# Altium PCB OneBox.PcbDoc (part 9 of 13)
Units mm, origin at the board's own origin, x right, y up, seen from the top; angles counter-clockwise.
Board outline 101 x 69 mm, 6 copper layers (L1_Sig, L2_Gnd, L3_Pow, L4_Sig, L5_Gnd, L6_Sig), stack 1.538 mm thick; 766 components, 563 nets, 3133 pads, 2914 vias.
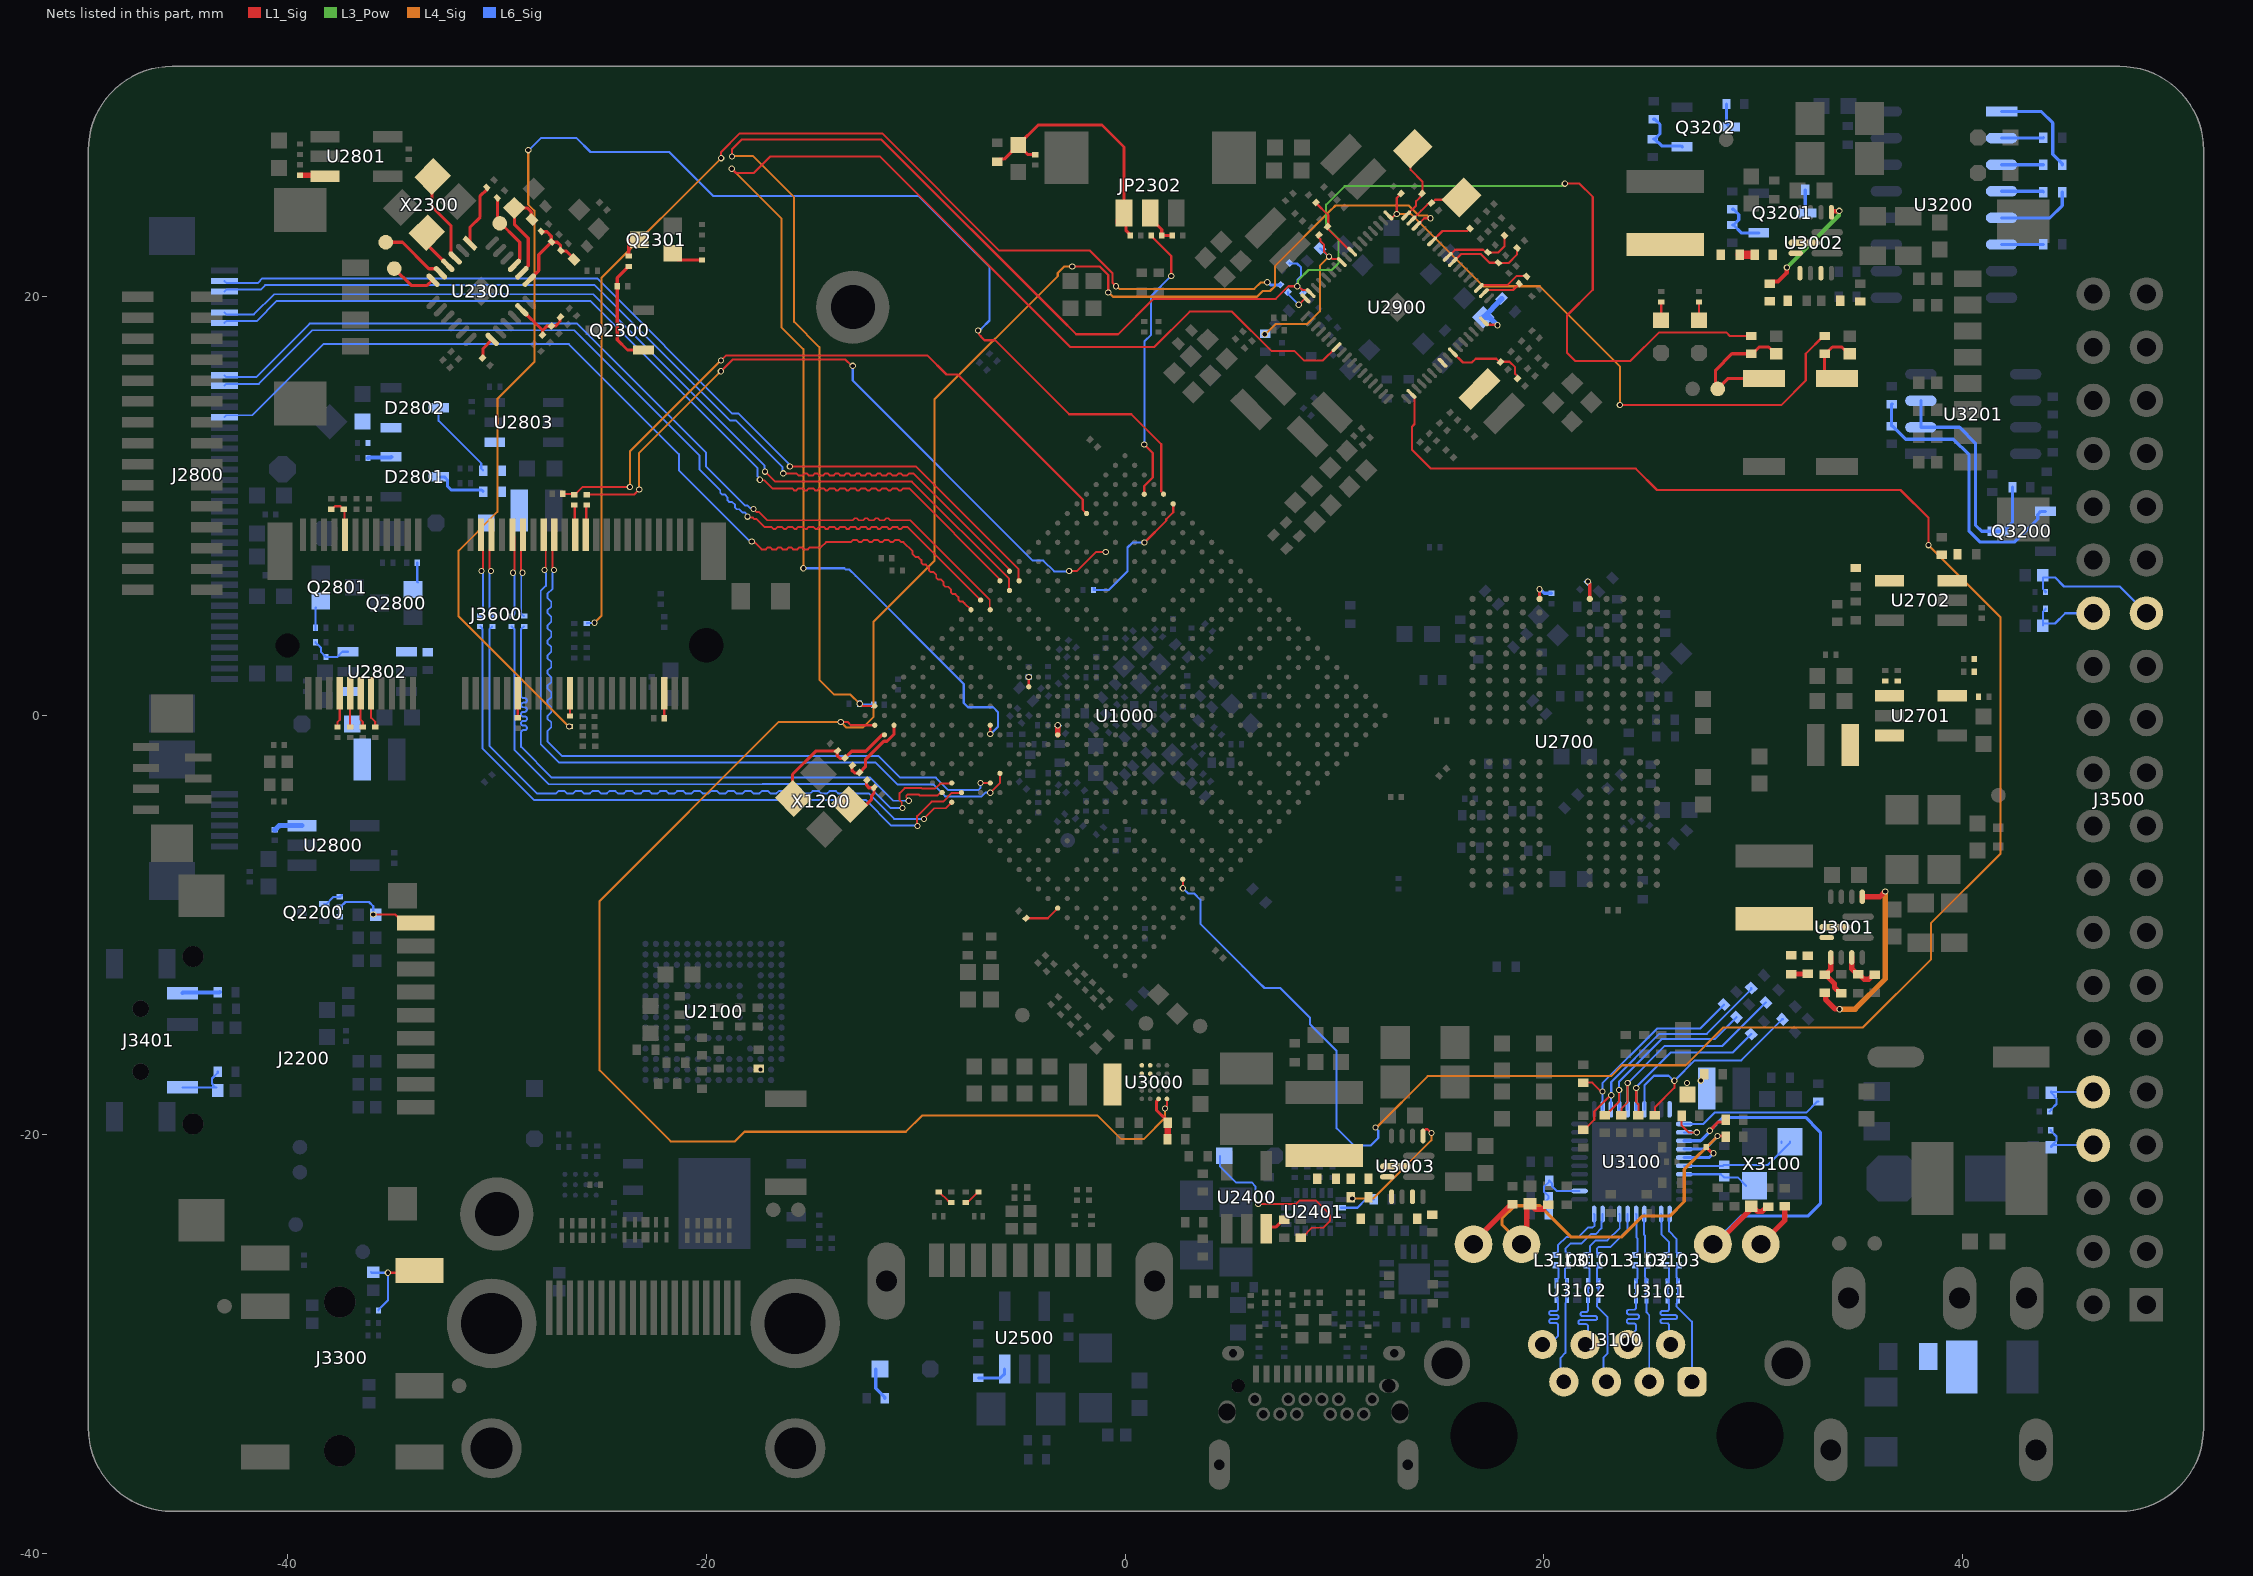
[diagram p13: the nets of this part, all layers, seen from the top]

## Via types
v1: diameter 0.3, hole 0.2, L1_Sig to L6_Sig, tented both sides, 2711 vias
v2: diameter 0.5, hole 0.3, L1_Sig to L6_Sig, tented both sides, 199 vias
v3: diameter 0.305, hole 0.203, L1_Sig to L6_Sig, tented both sides, 4 vias

## Nets (pads, with @x,y where several pads share a name; then routed paths per layer and width w, separated by ;. In a path a pad name is that pad's centre, name@x,y a point inside that pad or via, vN(x,y) a via of type N, cw(c..) or ccw(c..) an arc to the next point about the centre after c; other vN are vias at no path point) (continued)
MIPI_DSI_TX0_D0_P: J2800.26 U1000.AH17 | length 44.3
  L1_Sig w0.091: v1(-17.821,8.311) -17.78,8.27 -17.684,8.27 -17.353,7.94 -17.147,7.94 -17.053,8.034 -16.947,8.034 -16.853,7.94 -16.647,7.94 -16.553,8.034 -16.447,8.034 -16.353,7.94 -16.147,7.94 -16.053,8.034 -15.947,8.034 -15.853,7.94 -15.647,7.94 -15.553,8.034 -15.447,8.034 -15.353,7.94 -15.147,7.94 -15.053,8.034 -14.529,8.034 -14.276,8.287 -13.087,8.287 -12.993,8.381 -12.787,8.381 -12.693,8.287 -12.587,8.287 -12.493,8.381 -12.287,8.381 -12.193,8.287 -12.087,8.287 -11.993,8.381 -11.787,8.381 -11.693,8.287 -11.587,8.287 -11.493,8.381 -11.287,8.381 -11.193,8.287 -11.087,8.287 -10.993,8.381 -10.787,8.381 -10.693,8.287 -10.587,8.287 -10.146,7.846 -10.146,7.713 -10.001,7.568 -9.868,7.568 -9.722,7.422 -9.722,7.289 -9.647,7.214 -9.514,7.214 -9.369,7.069 -9.369,6.935 -9.294,6.861 -9.161,6.861 -9.015,6.715 -9.015,6.582 -8.94,6.507 -8.807,6.507 -8.662,6.362 -8.662,6.228 -8.587,6.153 -8.453,6.153 -8.308,6.008 -8.308,5.875 -8.233,5.8 -8.1,5.8 -7.954,5.654 -7.954,5.521 -7.88,5.446 -7.746,5.446 -7.672,5.372 -7.67,5.372 U1000.AH17@-7.354,5.056
  L6_Sig w0.091: J2800.26@-43.003,14.25 -42.913,14.34 -41.684,14.34 -38.284,17.74 -26.559,17.74 -21.3,12.481 -21.3,11.707 -17.967,8.374 -17.941,8.374 -17.877,8.311 v1(-17.821,8.311)
MIPI_DSI_TX0_D1_N: J2800.30 U1000.AG16 | length 44.3
  L1_Sig w0.091: v1(-17.745,9.869) -17.74,9.869 -17.587,9.717 -17.473,9.717 -17.086,9.329 -13,9.329 -12.906,9.424 -12.8,9.424 -12.706,9.329 -12.5,9.329 -12.406,9.424 -12.3,9.424 -12.206,9.329 -12,9.329 -11.906,9.424 -11.8,9.424 -11.706,9.329 -11.5,9.329 -11.406,9.424 -11.3,9.424 -11.206,9.329 -10.256,9.329 -6.459,5.533 -6.459,5.081 U1000.AG16@-6.435,5.056
  L6_Sig w0.091: J2800.30@-43.003,16.25 -42.913,16.16 -41.493,16.16 -38.933,18.72 -26.167,18.72 -20,12.553 -20,11.888 -18.137,10.026 -18.022,10.026 -17.906,9.909 -17.785,9.909 v1(-17.745,9.869)
MIPI_DSI_TX0_D1_P: J2800.29 U1000.AH16 | length 44.2
  L1_Sig w0.091: v1(-18.029,9.501) -17.989,9.461 -17.784,9.461 -17.72,9.397 -17.606,9.397 -17.218,9.009 -16.888,9.009 -16.794,8.915 -16.688,8.915 -16.594,9.009 -16.388,9.009 -16.294,8.915 -16.188,8.915 -16.094,9.009 -15.888,9.009 -15.794,8.915 -15.688,8.915 -15.594,9.009 -15.388,9.009 -15.294,8.915 -15.188,8.915 -15.094,9.009 -14.888,9.009 -14.794,8.915 -14.688,8.915 -14.594,9.009 -14.388,9.009 -14.294,8.915 -14.188,8.915 -14.094,9.009 -13.888,9.009 -13.794,8.915 -13.688,8.915 -13.594,9.009 -13.388,9.009 -13.294,8.915 -13.188,8.915 -13.094,9.009 -12.888,9.009 -12.794,8.915 -12.688,8.915 -12.594,9.009 -12.388,9.009 -12.294,8.915 -12.188,8.915 -12.094,9.009 -11.888,9.009 -11.794,8.915 -11.688,8.915 -11.594,9.009 -11.388,9.009 -11.294,8.915 -11.188,8.915 -11.094,9.009 -10.888,9.009 -10.794,8.915 -10.688,8.915 -10.594,9.009 -10.388,9.009 U1000.AH16@-6.894,5.515
  L6_Sig w0.091: J2800.29@-43.003,15.75 -42.913,15.84 -41.36,15.84 -38.8,18.4 -26.3,18.4 -20.32,12.42 -20.32,11.756 -19.331,10.766 -19.331,10.633 -19.256,10.558 -19.123,10.558 -18.977,10.413 -18.977,10.28 -18.902,10.205 -18.769,10.205 -18.624,10.059 -18.624,9.926 -18.549,9.851 -18.416,9.851 -18.27,9.706 -18.155,9.706 -18.101,9.652 -18.101,9.629 -18.029,9.557 v1(-18.029,9.501)
MIPI_DSI_TX0_D2_N: J2800.36 U1000.AG14 | length 44.3
  L1_Sig w0.091: v1(-17.192,11.649) -16.712,11.169 -10.176,11.169 -5.54,6.534 -5.54,6 U1000.AG14@-5.515,5.975
  L6_Sig w0.091: J2800.36@-43.003,19.25 -42.914,19.161 -41.591,19.161 -40.633,20.12 -25.395,20.12 -17.224,11.949 -17.224,11.681 v1(-17.192,11.649)
MIPI_DSI_TX0_D2_P: J2800.35 U1000.AH14 | length 44.2
  L1_Sig w0.091: v1(-17.437,11.263) -17.413,11.239 -17.234,11.239 -16.845,10.849 -15.894,10.849 -15.8,10.755 -15.694,10.755 -15.6,10.849 -15.394,10.849 -15.3,10.755 -15.194,10.755 -15.1,10.849 -14.894,10.849 -14.8,10.755 -14.694,10.755 -14.6,10.849 -14.394,10.849 -14.3,10.755 -14.194,10.755 -14.1,10.849 -13.894,10.849 -13.8,10.755 -13.694,10.755 -13.6,10.849 -13.394,10.849 -13.3,10.755 -13.194,10.755 -13.1,10.849 -12.894,10.849 -12.8,10.755 -12.694,10.755 -12.6,10.849 -12.394,10.849 -12.3,10.755 -12.194,10.755 -12.1,10.849 -11.894,10.849 -11.8,10.755 -11.694,10.755 -11.6,10.849 -11.394,10.849 -11.3,10.755 -11.194,10.755 -11.1,10.849 -10.894,10.849 -10.8,10.755 -10.694,10.755 -10.6,10.849 -10.308,10.849 -6.005,6.547 -6.005,6.465 U1000.AH14@-5.975,6.435
  L6_Sig w0.091: J2800.35@-43.003,18.75 -42.912,18.841 -41.459,18.841 -40.5,19.8 -25.527,19.8 -17.544,11.816 -17.544,11.423 -17.437,11.317 v1(-17.437,11.263)
MIPI_DSI_TX0_D3_N: J2800.39 U1000.AG13 | length 44.4
  L1_Sig w0.091: v1(-16.004,11.895) -15.995,11.885 -9.972,11.885 -5.081,6.994 -5.081,6.459 U1000.AG13@-5.056,6.435
  L6_Sig w0.091: J2800.39@-43.003,20.75 -42.917,20.664 -41.399,20.664 -41.19,20.873 -25.197,20.873 -18.744,14.42 -18.453,14.42 -16.042,12.009 -16.042,11.933 v1(-16.004,11.895)
MIPI_DSI_TX0_D3_P: J2800.38 U1000.AH13 | length 44.3
  L1_Sig w0.091: v1(-16.321,11.565) -15.7,11.565 -15.606,11.471 -15.4,11.471 -15.306,11.565 -15.2,11.565 -15.106,11.471 -14.9,11.471 -14.806,11.565 -14.7,11.565 -14.606,11.471 -14.4,11.471 -14.306,11.565 -14.2,11.565 -14.106,11.471 -13.9,11.471 -13.806,11.565 -13.7,11.565 -13.606,11.471 -13.4,11.471 -13.306,11.565 -13.2,11.565 -13.106,11.471 -12.9,11.471 -12.806,11.565 -12.7,11.565 -12.606,11.471 -12.4,11.471 -12.306,11.565 -12.2,11.565 -12.106,11.471 -11.9,11.471 -11.806,11.565 -11.7,11.565 -11.606,11.471 -11.4,11.471 -11.306,11.565 -11.2,11.565 -11.106,11.471 -10.9,11.471 -10.806,11.565 -10.7,11.565 -10.606,11.471 -10.4,11.471 -10.306,11.565 -10.105,11.565 -5.546,7.006 -5.546,6.925 U1000.AH13@-5.515,6.894
  L6_Sig w0.091: J2800.38@-43.003,20.25 -42.909,20.344 -41.267,20.344 -41.058,20.553 -25.329,20.553 -18.876,14.1 -18.585,14.1 -16.362,11.877 -16.362,11.723 -16.361,11.722 -16.361,11.605 v1(-16.321,11.565)
NetC1201_2: C1201.2 R1200.2 X1200.1 | length 3.3
  L1_Sig w0.152: R1200.2@-12.323,-3.077 -12.341,-3.094 -12.341,-3.334 -12.234,-3.441 C1201.2@-11.994,-3.441 ; C1201.2@-11.977,-3.423 C1201.2@-11.994,-3.441 ; X1200.1@-12.38,-4.277 -12.104,-4 -12.104,-3.829 -11.994,-3.72 C1201.2@-11.994,-3.441 ; X1200.1@-12.38,-4.277 -12.416,-4.241 X1200.1@-13.156,-4.241 -13.121,-4.277 X1200.1@-12.38,-4.277
NetC1202_2: C1202.2 R1201.1 U1000.AF28 X1200.3 | length 6.8
  L1_Sig w0.152: X1200.3@-15.844,-3.959 -15.879,-3.923 -15.879,-2.807 -14.767,-1.695 -14.751,-1.695 ; -14.75,-1.695 -14.603,-1.695 ; -14.602,-1.695 -14.016,-1.695 -14.015,-1.694 C1202.2@-13.81,-1.694 ; C1202.2@-13.816,-1.7 C1202.2@-13.81,-1.694 ; U1000.AF28@-11.491,-0.919 -11.509,-0.938 -11.622,-0.938 -12.384,-1.7 -13.054,-1.7 R1201.1@-13.377,-2.023 -13.395,-2.041 -13.611,-2.041 -13.741,-1.911 -13.741,-1.694 C1202.2@-13.723,-1.677 -13.792,-1.677 C1202.2@-13.81,-1.694
NetC2105_1: C2105.1 U2100.C2 | length 0
  L1_Sig w0.254: C2105.1@-17.4,-16.914 v1(-17.4,-16.9)
NetC2300_2: C2300.2 LB2300.1 U2300.20 | length 4.8
  L1_Sig w0.152: U2300.20@-28.802,21.145 -28.802,21.171 -28.5,21.473 -28.5,22.8 -29.16,23.46 -29.16,24.24 -28.54,24.24 -28.354,24.054 -28.354,23.717 LB2300.1@-28.318,23.682
NetC2301_2: C2301.2 C2303.1 C2304.1 LB2301.1 U2300.19 | length 4.8
  L1_Sig w0.152: U2300.19@-28.448,20.791 -27.991,21.249 -27.991,22.009 C2304.1@-27.377,22.623 ; C2303.1@-27.877,23.123 -27.859,23.105 -27.705,23.105 -27.7,23.1 -27.6,23.1 -27.394,22.894 -27.394,22.641 C2304.1@-27.377,22.623 ; LB2301.1@-26.318,21.682 -26.318,21.818 -26.6,22.1 -26.68,22.18 -26.923,22.18 C2301.2@-26.941,22.198 -26.959,22.215 -26.959,22.459 -27.105,22.605 -27.359,22.605 C2304.1@-27.377,22.623
NetC2305_2: C2305.2 R2304.2 R2305.2 U2300.17 | length 2.9
  L1_Sig w0.152: U2300.17@-28.802,19.377 -27.812,18.387 -27.812,18.279 -27.794,18.261 -27.794,18.192 C2305.2@-27.812,18.175 ; -27.812,18.387 -27.609,18.59 -27.483,18.59 -27.474,18.581 -27.405,18.581 -27.37,18.617 -27.183,18.617 -26.981,18.819 -26.981,19.006 R2304.2@-26.963,19.023
NetC2308_2: C2308.2 C2309.2 C2310.2 JP2302.3 LB2302.1 | length 13.4
  L1_Sig w0.152: LB2302.1@-6.1,26.45 -5.976,26.574 -5.776,26.574 C2309.2@-5.1,27.25 ; C2310.2@-4.284,26.785 -4.635,26.785 C2309.2@-5.1,27.25 ; JP2302.3@-0.212,23.662 -0.374,23.5 -0.374,23.676 -0.181,23.869 JP2302.3@-0.05,24 -0.05,27.15 -1.1,28.2 -4.15,28.2 C2309.2@-5.1,27.25 ; JP2302.3@-0.15,23.838 0.039,23.649 0.039,23.173 0.201,23.011 0.201,22.998 0.286,22.913 C2308.2@0.299,22.913
NetC2500_2: C2500.2 R2504.2 | length 0.8
  L1_Sig w0.091: C2500.2@-8.875,-22.75 -8.449,-23.176 -8.374,-23.176 R2504.2@-8.3,-23.25
  L1_Sig w0.102: C2500.2@-8.9,-22.75 C2500.2@-8.875,-22.75
NetC2501_2: C2501.2 R2505.2 | length 0.8
  L1_Sig w0.091: R2505.2@-7.6,-23.25 -7.521,-23.171 -7.445,-23.171 -7.025,-22.75 C2501.2@-7,-22.75
NetC2744_2: C2744.2 R2702.1 U2701.1
NetC2745_1: C2745.1 R2703.2 R2704.1 U2701.5
NetC2750_2: C2750.2 R2706.2 U2702.3
NetC2751_2: C2751.2 U2702.4
NetC2810_1: C2810.1 C2812.1 D2803.1 L2801.1 U2803.1
NetC2810_2: C2810.2 D2801.3 | length 2.6
  L6_Sig w0.152: D2801.3@-32.775,11.4 -32.5,11.4 -32.351,11.251 -32.351,10.951 -32.172,10.772 -30.722,10.772 C2810.2@-30.65,10.7
NetC2812_2: C2812.2 D2802.3 | length 3.9
  L6_Sig w0.102: D2802.3@-32.775,14.7 -32.775,14.075 -30.743,12.043 -30.743,11.793 C2812.2@-30.65,11.7
NetC2815_1: C2815.1 D2802.1 R2812.1
NetC2937_1: C2937.1 U2900.50 X2900.2 | length 2.9
  L1_Sig w0.102: U2900.50@13.672,23.637 14.139,24.103 14.455,24.42 14.462,24.42 14.518,24.477 14.662,24.477 14.814,24.629 15.182,24.629 15.184,24.627 15.961,24.627 X2900.2@16.067,24.733
NetC2938_1: C2938.1 U2900.51 X2900.1 | length 3.8
  L1_Sig w0.102: U2900.51@13.424,23.884 13.9,24.36 13.9,24.568 14.177,24.845 C2938.1@14.177,24.923 14.195,24.941 14.195,25.505 13.635,26.065 13.635,26.176 13.627,26.184 13.627,26.961 X2900.1@13.733,27.067
NetC2943_1: C2943.1 LB2900.2 U2900.33 | length 2.8
  L1_Sig w0.102: U2900.33@17.137,18.828 17.3,18.665 17.756,18.665 v1(17.785,18.636)
  L6_Sig w0.254: v1(17.785,18.636) 17.405,19.016 C2943.1@17.107,19.016 17.982,19.891 LB2900.2@17.982,19.918
NetC2944_1: C2944.1 U2900.36 | length 1.9
  L1_Sig w0.102: U2900.36@17.137,20.172 17.285,20.32 18.52,20.32 C2944.1@18.823,20.623
NetC2944_2: C2944.2 U2900.37 | length 2.5
  L1_Sig w0.102: U2900.37@16.889,20.419 17.037,20.567 18.267,20.567 18.694,20.994 19.159,20.994 C2944.2@19.177,20.977
NetC2951_1: C2951.1 C2952.2 U2900.43 | length 3.6
  L1_Sig w0.102: U2900.43@15.404,21.904 15.425,21.904 15.764,22.243 17.098,22.243 17.236,22.105 17.805,22.105 18.124,22.424 18.124,22.784 18.141,22.801 18.141,22.906 C2952.2@18.123,22.923
NetC2953_1: C2953.1 C2954.2 U2900.42 | length 3.9
  L1_Sig w0.102: U2900.42@15.652,21.657 15.673,21.657 16.056,22.04 16.987,22.04 17.404,21.623 17.683,21.623 17.701,21.641 17.806,21.641 17.841,21.605 18.305,21.605 18.723,22.023 18.723,22.183 18.741,22.201 18.741,22.306 C2954.2@18.723,22.323
NetC3000_2: C3000.2 R3000.1 U3000.A2 | length 2.2
  L1_Sig w0.152: U3000.A2@1.6,-18.3 1.6,-18.32 1.507,-18.413 1.507,-18.855 1.911,-19.258 1.911,-19.325 C3000.2@2.035,-19.449
  L1_Sig w0.305: R3000.1@2.028,-20.234 2.031,-20.231 2.031,-19.452 C3000.2@2.035,-19.449
NetC3008_2: C3008.2 R3003.1
NetC3014_1: C3014.1 R3004.1 U3001.11 | length 1.9
  L1_Sig w0.254: U3001.11@34.7,-11.55 34.703,-11.553 34.703,-12.103 34.95,-12.35 C3014.1@35,-12.35 35.05,-12.35 35.295,-12.595 35.505,-12.595 35.652,-12.448 35.727,-12.448 R3004.1@35.8,-12.375
NetC3017_1: C3017.1 R3006.1 | length 0.8
  L1_Sig w0.254: C3017.1@31.8,-12.35 31.813,-12.338 32.588,-12.338 R3006.1@32.6,-12.325
NetC3017_2: C3017.2 L3001.1 U3001.7
NetC3018_1: C3018.1 R3005.1 U3001.9 | length 2.2
  L1_Sig w0.254: R3005.1@33.4,-12.375 R3005.1@33.45,-12.375 ; U3001.9@33.7,-11.551 33.697,-11.554 33.697,-12.128 R3005.1@33.45,-12.375 ; C3018.1@34.2,-13.25 34.15,-13.25 33.879,-12.979 33.879,-12.804 R3005.1@33.45,-12.375
NetC3026_1: C3026.1 R3012.1 U3002.11
NetC3028_1: C3028.1 R3013.1 | length 0.7
  L1_Sig w0.406: C3028.1@29.35,22 R3013.1@30.075,22
NetC3028_2: C3028.2 L3002.1 U3002.7
NetC3029_1: C3029.1 R3014.1 U3002.9
NetC3038_1: C3038.1 R3016.1 U3003.11
NetC3040_1: C3040.1 R3017.1 U3003.9
NetC3041_1: C3041.1 R3018.1
NetC3041_2: C3041.2 L3003.1 U3003.7
NetC3200_1: C3200.1 U3200.3 | length 2
  L6_Sig w0.152: U3200.3@41.852,26.305 43.845,26.305 C3200.1@43.85,26.3
NetC3200_2: C3200.2 U3200.1 | length 4.9
  L6_Sig w0.152: U3200.1@41.852,28.845 43.755,28.845 44.3,28.3 44.3,26.8 44.75,26.35 C3200.2@44.75,26.3
NetC3201_1: C3201.1 U3200.5 | length 3.8
  L6_Sig w0.152: U3200.5@41.852,23.765 44.165,23.765 44.75,24.35 C3201.1@44.75,25
NetC3201_2: C3201.2 U3200.4 | length 2
  L6_Sig w0.152: U3200.4@41.852,25.035 43.815,25.035 C3201.2@43.85,25
NetC3203_2: C3203.2 U3200.2 | length 2
  L6_Sig w0.152: U3200.2@41.852,27.575 43.825,27.575 C3203.2@43.85,27.6
NetC3204_2: C3204.2 U3200.6 | length 2
  L6_Sig w0.152: U3200.6@41.852,22.495 43.845,22.495 C3204.2@43.85,22.5
NetC3600_1: C3600.1 J3600.9 R3600.2 | length 2
  L1_Sig w0.104: R3600.2@-37.9,9.85 -37.875,9.85 -37.725,10 -37.475,10 -37.325,9.85 C3600.1@-37.3,9.85 -37.275,9.825 -37.275,8.65 J3600.9@-37.25,8.625
NetD2400_1: D2400.1 R2410.2 | length 9.3
  L1_Sig w0.091: v1(6.356,-23.317) 8.183,-23.317 8.352,-23.148 9.113,-23.148 9.785,-23.82 9.785,-24.132 9.464,-24.453 8.922,-24.453 8.45,-24.925 R2410.2@8.4,-24.925
  L6_Sig w0.091: D2400.1@4.539,-21.014 4.539,-21.539 5.289,-22.289 6.038,-22.289 6.224,-22.475 6.224,-23.159 6.356,-23.292 v1(6.356,-23.317)
NetD2500_1: D2500.1 R2506.2 | length 1.6
  L6_Sig w0.152: D2500.1@-11.9,-31.2 -11.9,-32.125 -11.475,-32.55 R2506.2@-11.475,-32.6
NetD2800_1: D2800.1 L2800.2 U2802.1
NetD2801_2: D2801.2 R2809.1 | length 1.1
  L6_Sig w0.203: R2809.1@-36.15,12.3 -36.15,12.302 -36.127,12.325 -35.068,12.325 D2801.2@-35.043,12.35
NetED2200_1: ED2200.1 J2200.9 R2200.1 R2201.1 | length 3.9
  L1_Sig w0.104: v1(-35.9,-9.5) -34.846,-9.5 J2200.9@-34.744,-9.602
  L6_Sig w0.104: R2200.1@-37.525,-9.15 R2200.1@-37.5,-9.15 ; R2201.1@-37.5,-9.6 R2200.1@-37.5,-9.15 ; ED2200.1@-35.938,-9.538 v1(-35.9,-9.5) -35.9,-9.1 -36.1,-8.9 -37.225,-8.9 -37.475,-9.15 R2200.1@-37.5,-9.15
NetED3303_1: ED3303.1 J3300.5 R3306.2 | length 4.3
  L1_Sig w0.102: v1(-35.2,-26.6) -33.79,-26.6 J3300.5@-33.69,-26.5
  L6_Sig w0.102: ED3303.1@-36,-26.575 -35.975,-26.6 v1(-35.2,-26.6) -35.2,-27.925 -35.65,-28.375 R3306.2@-35.65,-28.4
NetED3400_1: ED3400.1 R3400.2 SW3400.1 TP3400.1 | length 7.3
  L1_Sig w0.152: SW3400.1@29.9,16.424 SW3400.1@30.224,16.1 ; SW3400.1@30.5,16.1 SW3400.1@30.224,16.1 ; ED3400.1@31.1,17.275 31.05,17.275 30.726,17.599 30.274,17.599 29.95,17.275 R3400.2@29.9,17.275 28.975,17.275 28.195,16.495 28.195,15.705 TP3400.1@28.3,15.6 28.8,16.1 SW3400.1@30.224,16.1
NetED3401_1: ED3401.1 R3401.2 SW3401.1 | length 3.1
  L1_Sig w0.152: SW3401.1@34,16.1 33.724,16.1 33.4,16.424 R3401.2@33.4,17.275 33.45,17.275 33.775,17.6 34.225,17.6 34.55,17.275 ED3401.1@34.6,17.275
NetED3405_1: ED3405.1 J3401.1 R3402.1 | length 2.6
  L6_Sig w0.102: J3401.1@-45.004,-17.75 -43.375,-17.75 -43.45,-17.75 -43.549,-17.651 -43.549,-17.619 -43.6,-17.568 -43.6,-17.325 -43.325,-17.05 R3402.1@-43.325,-17
NetED3500_1: ED3500.1 J3500.27 R3500.2 | length 6.4
  L6_Sig w0.102: R3500.2@43.95,5.925 43.825,6.05 43.825,6.6 44.4,6.6 44.835,6.165 47.495,6.165 J3500.27@48.77,4.89
  L6_Sig w0.152: R3500.2@43.95,5.9 R3500.2@43.95,5.925
NetED3501_1: ED3501.1 J3500.10 R3502.2 | length 3.2
  L6_Sig w0.102: R3502.2@44.15,-18.9 44.224,-18.826 44.224,-18.791 44.472,-18.543 44.472,-18.297 44.374,-18.199 44.374,-18.149 ED3501.1@44.225,-18 ; ED3501.1@44.225,-17.95 ED3501.1@44.225,-18 ; J3500.10@46.23,-17.97 44.255,-17.97 ED3501.1@44.225,-18
NetED3502_1: ED3502.1 J3500.8 R3501.2 | length 3.1
  L6_Sig w0.102: R3501.2@44.2,-19.8 44.2,-19.825 44.475,-20.1 44.475,-20.3 44.225,-20.55 ED3502.1@44.225,-20.6 44.315,-20.51 J3500.8@46.23,-20.51
NetED3503_1: ED3503.1 J3500.28 R3503.2 | length 3.4
  L6_Sig w0.102: ED3503.1@43.825,4.3 43.835,4.31 43.835,4.961 43.95,5.075 R3503.2@43.95,5.1 ; ED3503.1@43.9,4.4 44.4,4.4 44.89,4.89 J3500.28@46.23,4.89
NetJ3100_9: J3100.9 R3121.1 | length 2.3
  L1_Sig w0.254: J3100.9@30.36,-25.243 31.5,-24.103 R3121.1@31.5,-23.427
NetJ3100_12: J3100.12 R3122.1 | length 2.7
  L1_Sig w0.254: J3100.12@16.64,-25.243 16.64,-25.135 18.45,-23.325 R3122.1@18.5,-23.325
NetJ3401_3: J3401.3 R3403.2 | length 1.8
  L6_Sig w0.203: J3401.3@-45.004,-13.25 -44.979,-13.225 -43.25,-13.225 R3403.2@-43.225,-13.2
NetJ3600_8: J3600.8 R3604.1 | length 1.7
  L1_Sig w0.102: R3604.1@-37.6,-0.55 -37.6,-0.3 -37.5,-0.2 J3600.8@-37.5,1.075
NetJ3600_10: J3600.10 R3605.1 | length 1.6
  L1_Sig w0.102: R3605.1@-37,-0.55 J3600.10@-37,1.075
NetJ3600_12: J3600.12 R3606.1 | length 1.7
  L1_Sig w0.102: J3600.12@-36.5,1.075 -36.5,-0.2 -36.4,-0.3 R3606.1@-36.4,-0.55
NetJ3600_14: J3600.14 R3607.1 | length 1.7
  L1_Sig w0.102: J3600.14@-36,1.075 -36,-0.1 -35.8,-0.3 R3607.1@-35.8,-0.55
NetJ3600_42: J3600.42 R3608.1 | length 1.2
  L1_Sig w0.102: R3608.1@-29,-0.1 J3600.42@-29,1.075
NetJ3600_52: J3600.52 R3609.1 | length 1.1
  L1_Sig w0.102: R3609.1@-26.5,-0.024 J3600.52@-26.5,1.075
NetJ3600_53: J3600.53 R3602.2 | length 1.4
  L1_Sig w0.102: R3602.2@-26.3,10.05 -26.275,10.025 -26.275,8.65 J3600.53@-26.25,8.625
NetJ3600_55: J3600.55 R3603.2 | length 1.4
  L1_Sig w0.102: J3600.55@-25.75,8.625 -25.725,8.65 -25.725,10.025 R3603.2@-25.7,10.05
NetJ3600_70: J3600.70 R3610.1 | length 1.2
  L1_Sig w0.102: R3610.1@-22,-0.15 J3600.70@-22,1.075
NetJP2302_2: JP2302.2 R2315.2 R2316.2 | length 1.7
  L1_Sig w0.152: JP2302.2@1.2,24 1.2,23.75 1.524,23.426 1.534,23.426 1.748,23.213 1.748,22.998 R2316.2@1.75,22.998 ; R2316.2@1.75,22.924 R2315.2@2.25,22.924
NetL2700_1: L2700.1 U2701.3
NetL2903_2: L2903.2 U2900.25
NetL3000_2: L3000.2 U3000.D3 U3000.D4 U3000.E3 U3000.E4
NetLED3400_1: LED3400.1 R3404.2 | length 0.9
  L1_Sig w0.102: LED3400.1@27.4,18.877 R3404.2@27.4,19.75
NetLED3401_1: LED3401.1 R3406.2 | length 0.9
  L1_Sig w0.102: LED3401.1@25.6,18.877 R3406.2@25.6,19.75
NetQ2200_1: Q2200.1 R2200.2 | length 1
  L6_Sig w0.104: Q2200.1@-38.241,-9 -38.144,-9 -37.806,-8.663 -37.513,-8.663 R2200.2@-37.5,-8.65 -37.475,-8.65 R2200.2@-37.402,-8.577
NetQ2300_1: Q2300.1 R2311.2 R2312.1 | length 5.2
  L1_Sig w0.152: R2312.1@-23.7,21.45 -23.725,21.45 -23.774,21.401 -23.774,21.376 -24.25,20.9 R2311.2@-24.25,20.5 -24.25,17.95 -23.757,17.457 Q2300.1@-23.001,17.457
NetQ2301_1: Q2301.1 R2313.2 | length 1.2
  L1_Sig w0.152: Q2301.1@-21.357,21.75 R2313.2@-20.2,21.75
NetQ2301_3: Q2301.3 R2312.2 | length 0.8
  L1_Sig w0.152: R2312.2@-23.7,21.95 -23.7,22.625 Q2301.3@-23.625,22.7
NetQ2800_1: Q2800.1 R2813.2 | length 1
  L6_Sig w0.102: R2813.2@-33.798,7.3 -33.798,6.391 Q2800.1@-33.757,6.35
NetQ2801_1: Q2801.1 R2815.2 | length 1.1
  L6_Sig w0.102: R2815.2@-38.65,4.1 -38.65,5.143 Q2801.1@-38.643,5.15
NetQ3200_1: Q3200.1 R3204.2 R3205.2 | length 13.6
  L6_Sig w0.152: R3204.2@36.65,14.875 R3204.2@36.6,14.875 R3205.2@36.6,13.825 36.65,13.825 37.275,13.2 39.55,13.2 40.3,12.45 40.3,8.8 40.805,8.295 42.488,8.295 43.579,9.386 43.579,9.601 43.727,9.75 Q3200.1@43.943,9.75
NetQ3200_3: Q3200.3 R3203.1 U3201.2 U3201.3 | length 11.8
  L6_Sig w0.152: U3201.3@38,15.035 U3201.2@38,13.765 39.846,13.765 40.6,13.011 40.6,9.1 40.9,8.8 41.95,8.8 42.099,8.949 42.099,8.959 42.375,9.235 R3203.1@42.375,10.9
NetQ3201_1: Q3201.1 R3209.1 R3210.1 | length 2.4
  L6_Sig w0.152: R3209.1@29,23.425 R3209.1@29.05,23.425 ; R3210.1@29,24.175 29.05,24.175 29.3,23.925 29.3,23.675 R3209.1@29.05,23.425 ; Q3201.1@30.257,23.05 29.425,23.05 R3209.1@29.05,23.425
NetQ3201_3: Q3201.3 R3211.1 | length 1.1
  L6_Sig w0.152: R3211.1@32.475,25.1 32.475,24.05 Q3201.3@32.525,24
NetQ3202_1: Q3202.1 R3212.1 R3213.1 | length 2.7
  L6_Sig w0.152: R3212.1@25.244,27.528 R3212.1@25.294,27.528 ; R3213.1@25.244,28.478 25.294,28.478 25.544,28.228 25.544,27.778 R3212.1@25.294,27.528 ; Q3202.1@26.601,27.153 26.551,27.203 25.619,27.203 R3212.1@25.294,27.528
NetQ3202_3: Q3202.3 R3214.1 | length 1.2
  L6_Sig w0.152: R3214.1@28.719,29.203 28.719,28.252 Q3202.3@28.869,28.103
NetR1200_1: R1200.1 R1201.2 U1000.AF27 | length 3.7